# KiCad board boatcontrol.kicad_pcb (continued)
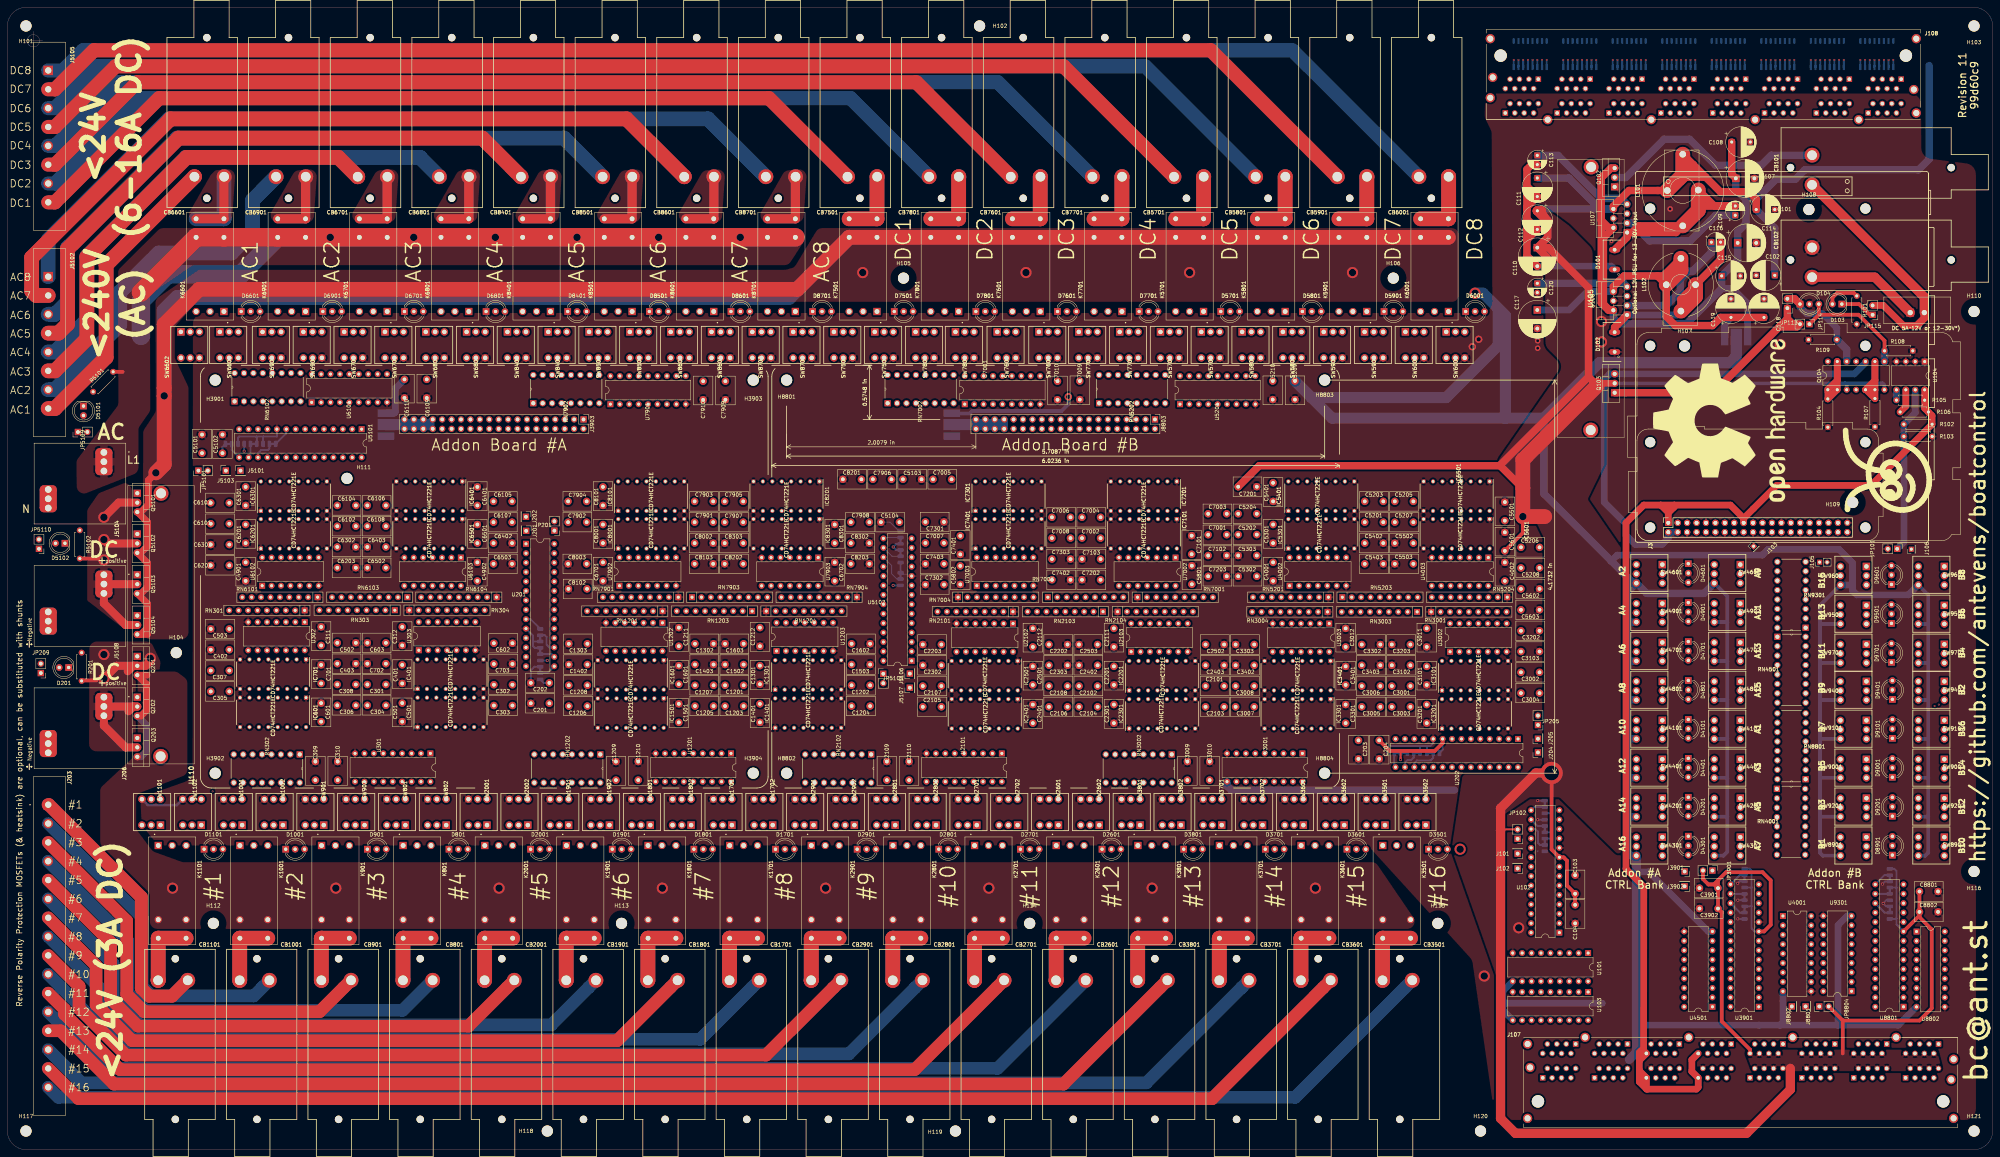
[diagram p0: board, top side]
## Footprints (pads in the part's own frame, mm; a bottom-side part is the same pattern mirrored in y, then rotated) (continued)
SolderJumper-3_LargeGap_Bridged12_RoundedPad1.0x1.5mm
  rrect 1x1.7 smd: 1(-1.7,0) 2(0,0) 3(1.7,0)
SolderJumper-3_P1.3mm_Open_RoundedPad3.0x4.5mm_NumberLabels
  rect 2x4.5 smd: 1(-3.1,0) 3(3.1,0)
  rect 3x4.5 smd: 2(0,0)
STEWART_SS73100-047F
  round 3.33 hole 3.33 unplated: (-40.64,0) (68.58,0)
  rect 1.478x1.478 hole 0.97: A_1(-30.48,15.47) B_1(-16.51,15.47) C_1(-2.54,15.47) D_1(11.43,15.47) E_1(25.39,15.47) F_1(39.36,15.47) G_1(53.34,15.47) H_1(67.31,15.47) I_1(-39.37,6.35) J_1(-25.4,6.35) K_1(-11.43,6.35) L_1(2.54,6.35) M_1(16.5,6.35) N_1(30.47,6.35) O_1(44.45,6.35) P_1(58.42,6.35)
  round 1.478 hole 0.97: A_2(-31.75,12.93) A_3(-33.02,15.47) A_4(-34.29,12.93) A_5(-35.56,15.47) A_6(-36.83,12.93) A_7(-38.1,15.47) A_8(-39.37,12.93) B_2(-17.78,12.93) B_3(-19.05,15.47) B_4(-20.32,12.93) B_5(-21.59,15.47) B_6(-22.86,12.93) B_7(-24.13,15.47) B_8(-25.4,12.93) C_2(-3.81,12.93) C_3(-5.08,15.47) C_4(-6.35,12.93) C_5(-7.62,15.47) C_6(-8.89,12.93) C_7(-10.16,15.47) C_8(-11.43,12.93) D_2(10.16,12.93) D_3(8.89,15.47) D_4(7.62,12.93) D_5(6.35,15.47) D_6(5.08,12.93) D_7(3.81,15.47) D_8(2.54,12.93) E_2(24.12,12.93) E_3(22.85,15.47) E_4(21.58,12.93) E_5(20.31,15.47) E_6(19.04,12.93) E_7(17.77,15.47) E_8(16.5,12.93) F_2(38.09,12.93) F_3(36.82,15.47) F_4(35.55,12.93) F_5(34.28,15.47) F_6(33.01,12.93) F_7(31.74,15.47) F_8(30.47,12.93) G_2(52.07,12.93) G_3(50.8,15.47) G_4(49.53,12.93) G_5(48.26,15.47) G_6(46.99,12.93) G_7(45.72,15.47) G_8(44.45,12.93) H_2(66.04,12.93) H_3(64.77,15.47) H_4(63.5,12.93) H_5(62.23,15.47) H_6(60.96,12.93) H_7(59.69,15.47) H_8(58.42,12.93) I_2(-38.1,8.89) I_3(-36.83,6.35) I_4(-35.56,8.89) I_5(-34.29,6.35) I_6(-33.02,8.89) I_7(-31.75,6.35) I_8(-30.48,8.89) J_2(-24.13,8.89) J_3(-22.86,6.35) J_4(-21.59,8.89) J_5(-20.32,6.35) J_6(-19.05,8.89) J_7(-17.78,6.35) J_8(-16.51,8.89) K_2(-10.16,8.89) K_3(-8.89,6.35) K_4(-7.62,8.89) K_5(-6.35,6.35) K_6(-5.08,8.89) K_7(-3.81,6.35) K_8(-2.54,8.89) L_2(3.81,8.89) L_3(5.08,6.35) L_4(6.35,8.89) L_5(7.62,6.35) L_6(8.89,8.89) L_7(10.16,6.35) L_8(11.43,8.89) M_2(17.77,8.89) M_3(19.04,6.35) M_4(20.31,8.89) M_5(21.58,6.35) M_6(22.85,8.89) M_7(24.12,6.35) M_8(25.39,8.89) N_2(31.74,8.89) N_3(33.01,6.35) N_4(34.28,8.89) N_5(35.55,6.35) N_6(36.82,8.89) N_7(38.09,6.35) N_8(39.36,8.89) O_2(45.72,8.89) O_3(46.99,6.35) O_4(48.26,8.89) O_5(49.53,6.35) O_6(50.8,8.89) O_7(52.07,6.35) O_8(53.34,8.89) P_2(59.69,8.89) P_3(60.96,6.35) P_4(62.23,8.89) P_5(63.5,6.35) P_6(64.77,8.89) P_7(66.04,6.35) P_8(67.31,8.89)
  round 2.475 hole 1.65: S1(-43.435,-4.57) S2(71.375,-4.57) S3(-42.775,9.14) S4(-43.435,15.47) S5(70.715,5.87) S6(71.375,11.38) S7(-27.94,17.27) S8(0,17.27) S9(27.99,17.27) S10(55.88,17.27)
SW_PUSH_ESB30_DPDT
  rect 2x2 hole 1.2: 1(-3.5,-2.25)
  round 2 hole 1.2: 2(-3.5,0.25) 3(-3.5,2.75) 4(3.5,-2.25) 5(3.5,0.25) 6(3.5,2.75)
TO-220
  oval 1.508x3.016 hole 1: 1(2.665,0) 2(-2.665,0)
TO-220-3_Vertical
  rect 1.905x2 hole 1.1: 1(0,0)
  oval 1.905x2 hole 1.1: 2(2.54,0) 3(5.08,0)
TO-220-7_P2.54x3.7mm_StaggerOdd_Lead3.8mm_Vertical
  rect 1.8x1.8 hole 1.1: 1(0,0)
  oval 1.8x1.8 hole 1.1: 2(1.27,3.7) 3(2.54,0) 4(3.81,3.7) 5(5.08,0) 6(6.35,3.7) 7(7.62,0)

## Nets
12V_DC_C1_OFF: C403.2 J108.P_4 RN301.5 U302.5
12V_DC_C1_ON: C402.2 J108.P_8 RN301.3 U302.2
12V_DC_C2_OFF: C503.2 J108.P_6 RN301.8 U302.13
12V_DC_C2_ON: C502.2 J108.P_2 RN301.6 U302.10
12V_DC_C3_OFF: C603.2 J108.G_2 RN304.5 U303.5
12V_DC_C3_ON: C602.2 J108.G_6 RN304.3 U303.2
12V_DC_C4_OFF: C703.2 J108.G_8 RN304.6 U303.13
12V_DC_C4_ON: C702.2 J108.G_4 RN304.8 U303.10
12V_DC_C5_OFF: C1303.2 J108.N_6 RN1201.5 U1202.5
12V_DC_C5_ON: C1302.2 J108.N_4 RN1201.3 U1202.2
12V_DC_C6_OFF: C1403.2 J108.N_2 RN1201.8 U1202.13
12V_DC_C6_ON: C1402.2 J108.N_8 RN1201.6 U1202.10
12V_DC_C7_OFF: C1503.2 J108.E_8 RN1204.5 U1203.5
12V_DC_C7_ON: C1502.2 J108.E_4 RN1204.3 U1203.2
12V_DC_C8_OFF: C1603.2 J108.E_2 RN1204.6 U1203.13
12V_DC_C8_ON: C1602.2 J108.E_6 RN1204.8 U1203.10
12V_DC_C9_OFF: C2203.2 J108.L_8 RN2101.5 U2102.5
12V_DC_C9_ON: C2202.2 J108.L_2 RN2101.3 U2102.2
12V_DC_C10_OFF: C2303.2 J108.L_4 RN2101.8 U2102.13
12V_DC_C10_ON: C2302.2 J108.L_6 RN2101.6 U2102.10
12V_DC_C11_OFF: C2403.2 J108.C_8 RN2104.5 U2103.5
12V_DC_C11_ON: C2402.2 J108.C_4 RN2104.3 U2103.2
12V_DC_C12_OFF: C2503.2 J108.C_2 RN2104.6 U2103.13
12V_DC_C12_ON: C2502.2 J108.C_6 RN2104.8 U2103.10
12V_DC_C13_OFF: C3103.2 J108.A_8 RN3001.5 U3002.5
12V_DC_C13_ON: C3102.2 J108.A_4 RN3001.3 U3002.2
12V_DC_C14_OFF: C3203.2 J108.A_2 RN3001.8 U3002.13
12V_DC_C14_ON: C3202.2 J108.A_6 RN3001.6 U3002.10
12V_DC_C15_OFF: C3303.2 J108.J_8 RN3004.5 U3003.5
12V_DC_C15_ON: C3302.2 J108.J_4 RN3004.3 U3003.2
12V_DC_C16_OFF: C3403.2 J108.J_2 RN3004.6 U3003.13
12V_DC_C16_ON: C3402.2 J108.J_6 RN3004.8 U3003.10
12V_DC_C17_OFF: C5303.2 J108.B_2 RN5201.4 U4002.5
12V_DC_C17_ON: C5302.2 J108.B_4 RN5201.8 U4002.2
12V_DC_C18_OFF: C5403.2 J108.B_8 RN5201.7 U4002.13
12V_DC_C18_ON: C5402.2 J108.B_6 RN5201.3 U4002.10
12V_DC_C19_OFF: C5503.2 J108.I_8 RN5204.7 U4003.5
12V_DC_C19_ON: C5502.2 J108.I_4 RN5204.3 U4003.2
12V_DC_C20_OFF: C5603.2 J108.I_2 RN5204.4 U4003.13
12V_DC_C20_ON: C5602.2 J108.I_6 RN5204.8 U4003.10
12V_DC_C21_OFF: C7103.2 J108.K_8 RN7001.4 U7002.5
12V_DC_C21_ON: C7102.2 J108.K_6 RN7001.8 U7002.2
12V_DC_C22_OFF: C7203.2 J108.K_2 RN7001.7 U7002.13
12V_DC_C22_ON: C7202.2 J108.K_4 RN7001.3 U7002.10
12V_DC_C23_OFF: C7303.2 J108.D_8 RN7004.7 U7003.5
12V_DC_C23_ON: C7302.2 J108.D_4 RN7004.3 U7003.2
12V_DC_C24_OFF: C7403.2 J108.D_2 RN7004.4 U7003.13
12V_DC_C24_ON: C7402.2 J108.D_6 RN7004.8 U7003.10
230V_AC_C1_OFF: C8003.2 J108.F_2 RN7901.4 U7902.5
230V_AC_C1_ON: C8002.2 J108.F_6 RN7901.8 U7902.2
230V_AC_C2_OFF: C8103.2 J108.F_8 RN7901.7 U7902.13
230V_AC_C2_ON: C8102.2 J108.F_4 RN7901.3 U7902.10
230V_AC_C3_OFF: C8203.2 J108.M_2 RN7904.7 U7903.5
230V_AC_C3_ON: C8202.2 J108.M_8 RN7904.3 U7903.2
230V_AC_C4_OFF: C8303.2 J108.M_6 RN7904.4 U7903.13
230V_AC_C4_ON: C8302.2 J108.M_4 RN7904.8 U7903.10
230V_AC_C5_OFF: C6203.2 J108.H_8 RN6101.4 U6102.5
230V_AC_C5_ON: C6202.2 J108.H_4 RN6101.8 U6102.2
230V_AC_C6_OFF: C6303.2 J108.H_2 RN6101.7 U6102.13
230V_AC_C6_ON: C6302.2 J108.H_6 RN6101.3 U6102.10
230V_AC_C7_OFF: C6403.2 J108.O_6 RN6104.7 U6103.5
230V_AC_C7_ON: C6402.2 J108.O_4 RN6104.3 U6103.2
230V_AC_C8_OFF: C6503.2 J108.O_2 RN6104.4 U6103.13
230V_AC_C8_ON: C6502.2 J108.O_8 RN6104.8 U6103.10
+5V: C101.1 C102.1 C103.1 C104.1 C110.1 C111.1 C112.1 C201.1 C202.1 C203.1 C204.1 C311.1 C312.1 C401.1 C501.1 C601.1 C701.1 C1211.1 C1212.1 C1301.1 C1401.1 C1501.1 C1601.1 C2111.1 C2112.1 C2201.1 C2301.1 C2401.1 C2501.1 C3011.1 C3012.1 C3101.1 C3201.1 C3301.1 C3401.1 C3901.1 C3902.1 C4001.1 C4002.1 C4901.1 C4902.1 C5101.1 C5102.1 C5103.1 C5104.1 C5301.1 C5401.1 C5501.1 C5601.1 C5801.1 C5802.1 C6201.1 C6301.1 C6401.1 C6501.1 C6701.1 C6702.1 C7101.1 C7201.1 C7301.1 C7401.1 C8001.1 C8101.1 C8201.1 C8301.1 C8801.1 C8802.1 IC401.16 IC501.16 IC601.16 IC701.16 IC1301.16 IC1401.16 IC1501.16 IC1601.16 IC2201.16 IC2301.16 IC2401.16 IC2501.16 IC3101.16 IC3201.16 IC3301.16 IC3401.16 IC5301.16 IC5401.16 IC5501.16 IC5601.16 IC6201.16 IC6301.16 IC6401.16 IC6501.16 IC7101.16 IC7201.16 IC7301.16 IC7401.16 IC8001.16 IC8101.16 IC8201.16 IC8301.16 J107.E_2 J107.E_4 J107.E_6 J107.E_8 J107.F_2 J107.F_4 J107.F_6 J107.F_8 J107.G_2 J107.G_4 J107.G_6 J107.G_8 J107.H_2 J107.H_4 J107.H_6 J107.H_8 J107.M_2 J107.M_4 J107.M_6 J107.M_8 J107.N_2 J107.N_4 J107.N_6 J107.N_8 J107.O_2 J107.O_4 J107.O_6 J107.O_8 J107.P_2 J107.P_4 J107.P_6 J107.P_8 JP102.2 JP103.1 JP104.1 JP105.3 JP106.3 JP107.1 JP108.3 JP109.1 JP111.3 JP112.3 JP201.2 JP202.3 JP203.3 JP204.3 JP205.2 JP206.3 JP207.3 JP208.1 JP3901.2 JP5101.2 JP5102.1 JP5103.3 JP5104.1 JP5105.2 JP5106.3 JP5107.1 JP5108.1 JP8804.2 L101.2 Q103.2 Q104.3 Q104.7 RN101.9 RN101.10 RN101.11 RN101.12 RN101.13 RN101.14 RN101.15 RN101.16 RN102.9 RN102.10 RN102.11 RN102.12 RN102.13 RN102.14 RN102.15 RN102.16 RN103.9 RN103.10 RN103.11 RN103.12 RN103.13 RN103.14 RN103.15 RN103.16 RN104.9 RN104.10 RN104.11 RN104.12 RN104.13 RN104.14 RN104.15 RN104.16 RN105.9 RN105.10 RN105.11 RN105.12 RN105.13 RN105.14 RN105.15 RN105.16 RN106.9 RN106.10 RN106.11 RN106.12 RN106.13 RN106.14 RN106.15 RN106.16 RN107.9 RN107.10 RN107.11 RN107.12 RN107.13 RN107.14 RN107.15 RN107.16 RN108.9 RN108.10 RN108.11 RN108.12 RN108.13 RN108.14 RN108.15 RN108.16 RN303.1 RN1203.1 RN2103.1 RN3003.1 RN5203.1 RN6103.1 RN7003.1 RN7903.1 U102.9 U107.6 U201.9 U202.9 U302.14 U303.14 U1202.14 U1203.14 U2102.14 U2103.14 U3002.14 U3003.14 U3901.9 U4002.14 U4003.14 U5101.9 U5102.9 U6102.14 U6103.14 U7002.14 U7003.14 U7902.14 U7903.14 U8801.9
+12V: C107.1 C108.1 C114.1 C115.1 JP110.3 Q102.3 U107.2 U108.2
/12V_RAW: CB101.P1 J111.2 JP115.2
/GND_RAW: CB102.P1 J111.1
GND: C101.2 C102.2 C103.2 C104.2 C107.2 C108.2 C114.2 C115.2 C117.2 C118.2 C119.2 C120.2 C201.2 C202.2 C203.2 C204.2 C309.2 C310.2 C311.2 C312.2 C401.2 C402.1 C403.1 C501.2 C502.1 C503.1 C601.2 C602.1 C603.1 C701.2 C702.1 C703.1 C1209.2 C1210.2 C1211.2 C1212.2 C1301.2 C1302.1 C1303.1 C1401.2 C1402.1 C1403.1 C1501.2 C1502.1 C1503.1 C1601.2 C1602.1 C1603.1 C2109.2 C2110.2 C2111.2 C2112.2 C2201.2 C2202.1 C2203.1 C2301.2 C2302.1 C2303.1 C2401.2 C2402.1 C2403.1 C2501.2 C2502.1 C2503.1 C3009.2 C3010.2 C3011.2 C3012.2 C3101.2 C3102.1 C3103.1 C3201.2 C3202.1 C3203.1 C3301.2 C3302.1 C3303.1 C3401.2 C3402.1 C3403.1 C3901.2 C3902.2 C4001.2 C4002.2 C4901.2 C4902.2 C5101.2 C5102.2 C5103.2 C5104.2 C5209.2 C5210.2 C5301.2 C5302.1 C5303.1 C5401.2 C5402.1 C5403.1 C5501.2 C5502.1 C5503.1 C5601.2 C5602.1 C5603.1 C5801.2 C5802.2 C6109.2 C6110.2 C6201.2 C6202.1 C6203.1 C6301.2 C6302.1 C6303.1 C6401.2 C6402.1 C6403.1 C6501.2 C6502.1 C6503.1 C6701.2 C6702.2 C7009.2 C7010.2 C7101.2 C7102.1 C7103.1 C7201.2 C7202.1 C7203.1 C7301.2 C7302.1 C7303.1 C7401.2 C7402.1 C7403.1 C7909.2 C7910.2 C8001.2 C8002.1 C8003.1 C8101.2 C8102.1 C8103.1 C8201.2 C8202.1 C8203.1 C8301.2 C8302.1 C8303.1 C8801.2 C8802.2 CB102.P2 D102.2 D104.2 D4101.2 D4201.2 D4301.2 D4401.2 D4601.2 D4701.2 D4801.2 D4901.2 D8901.2 D9001.2 D9101.2 D9201.2 D9401.2 D9501.2 D9601.2 D9701.2 IC401.1 IC401.8 IC401.9 IC501.1 IC501.8 IC501.9 IC601.1 IC601.8 IC601.9 IC701.1 IC701.8 IC701.9 IC1301.1 IC1301.8 IC1301.9 IC1401.1 IC1401.8 IC1401.9 IC1501.1 IC1501.8 IC1501.9 IC1601.1 IC1601.8 IC1601.9 IC2201.1 IC2201.8 IC2201.9 IC2301.1 IC2301.8 IC2301.9 IC2401.1 IC2401.8 IC2401.9 IC2501.1 IC2501.8 IC2501.9 IC3101.1 IC3101.8 IC3101.9 IC3201.1 IC3201.8 IC3201.9 IC3301.1 IC3301.8 IC3301.9 IC3401.1 IC3401.8 IC3401.9 IC5301.1 IC5301.8 IC5301.9 IC5401.1 IC5401.8 IC5401.9 IC5501.1 IC5501.8 IC5501.9 IC5601.1 IC5601.8 IC5601.9 IC6201.1 IC6201.8 IC6201.9 IC6301.1 IC6301.8 IC6301.9 IC6401.1 IC6401.8 IC6401.9 IC6501.1 IC6501.8 IC6501.9 IC7101.1 IC7101.8 IC7101.9 IC7201.1 IC7201.8 IC7201.9 IC7301.1 IC7301.8 IC7301.9 IC7401.1 IC7401.8 IC7401.9 IC8001.1 IC8001.8 IC8001.9 IC8101.1 IC8101.8 IC8101.9 IC8201.1 IC8201.8 IC8201.9 IC8301.1 IC8301.8 IC8301.9 J3.6 J3.9 J3.14 J3.20 J3.25 J3.30 J3.34 J3.39 J107.C_7 J107.D_7 J107.K_2 J107.L_2 JP101.2 JP103.3 JP104.3 JP105.1 JP106.1 JP107.3 JP108.1 JP109.3 JP111.1 JP112.1 JP202.1 JP203.1 JP204.1 JP206.1 JP207.1 JP208.3 JP210.1 JP5102.3 JP5103.1 JP5104.3 JP5106.1 JP5107.3 JP5108.3 JP8701.1 Q102.1 R101.2 R103.2 R104.1 R107.1 R108.1 R109.1 RN301.1 RN304.1 RN1201.1 RN1204.1 RN2101.1 RN2104.1 RN3001.1 RN3004.1 RN5201.1 RN5204.1 RN6101.1 RN6104.1 RN7001.1 RN7004.1 RN7901.1 RN7904.1 SW801.6 SW802.6 SW901.6 SW902.6 SW1001.6 SW1002.6 SW1101.6 SW1102.6 SW1701.6 SW1702.6 SW1801.6 SW1802.6 SW1901.6 SW1902.6 SW2001.6 SW2002.6 SW2601.6 SW2602.6 SW2701.6 SW2702.6 SW2801.6 SW2802.6 SW2901.6 SW2902.6 SW3501.6 SW3502.6 SW3601.6 SW3602.6 SW3701.6 SW3702.6 SW3801.6 SW3802.6 SW5701.6 SW5702.6 SW5801.6 SW5802.6 SW5901.6 SW5902.6 SW6001.6 SW6002.6 SW6601.6 SW6602.6 SW6701.6 SW6702.6 SW6801.6 SW6802.6 SW6901.6 SW6902.6 SW7501.6 SW7502.6 SW7601.6 SW7602.6 SW7701.6 SW7702.6 SW7801.6 SW7802.6 SW8401.6 SW8402.6 SW8501.6 SW8502.6 SW8601.6 SW8602.6 SW8701.6 SW8702.6 U101.9 U102.10 U103.9 U104.1 U104.2 U104.3 U104.4 U107.4 U108.4 U201.10 U202.10 U301.9 U302.7 U303.7 U1201.9 U1202.7 U1203.7 U2101.9 U2102.7 U2103.7 U3001.9 U3002.7 U3003.7 U3901.10 U4001.10 U4002.7 U4003.7 U4501.10 U5101.10 U5102.10 U5201.9 U6101.9 U6102.7 U6103.7 U7001.9 U7002.7 U7003.7 U7901.9 U7902.7 U7903.7 U8801.10 U8802.10 U9301.10
+12C: K801.3 K801.6 K901.3 K901.6 K1001.3 K1001.6 K1101.3 K1101.6 K1701.3 K1701.6 K1801.3 K1801.6 K1901.3 K1901.6 K2001.3 K2001.6 K2601.3 K2601.6 K2701.3 K2701.6 K2801.3 K2801.6 K2901.3 K2901.6 K3501.3 K3501.6 K3601.3 K3601.6 K3701.3 K3701.6 K3801.3 K3801.6 Q201.3 Q202.3 Q203.3
+12L: K5701.3 K5701.6 K5801.3 K5801.6 K5901.3 K5901.6 K6001.3 K6001.6 K7501.3 K7501.6 K7601.3 K7601.6 K7701.3 K7701.6 K7801.3 K7801.6 Q5101.3 Q5102.3 Q5103.3 Q5104.3
+12P: C309.1 C310.1 C1209.1 C1210.1 C2109.1 C2110.1 C3009.1 C3010.1 C5209.1 C5210.1 C6109.1 C6110.1 C7009.1 C7010.1 C7909.1 C7910.1 D801.2 D901.2 D1001.2 D1101.2 D1701.2 D1801.2 D1901.2 D2001.2 D2601.2 D2701.2 D2801.2 D2901.2 D3501.2 D3601.2 D3701.2 D3801.2 D5701.2 D5801.2 D5901.2 D6001.2 D6601.2 D6701.2 D6801.2 D6901.2 D7501.2 D7601.2 D7701.2 D7801.2 D8401.2 D8501.2 D8601.2 D8701.2 J107.A_2 J107.A_4 J107.A_6 J107.A_8 J107.B_2 J107.B_4 J107.B_6 J107.B_8 J107.I_2 J107.I_4 J107.I_6 J107.I_8 J107.J_2 J107.J_4 J107.J_6 J107.J_8 JP110.2 JP210.3 JP8701.3 K801.9 K901.9 K1001.9 K1101.9 K1701.9 K1801.9 K1901.9 K2001.9 K2601.9 K2701.9 K2801.9 K2901.9 K3501.9 K3601.9 K3701.9 K3801.9 K5701.9 K5801.9 K5901.9 K6001.9 K6601.9 K6701.9 K6801.9 K6901.9 K7501.9 K7601.9 K7701.9 K7801.9 K8401.9 K8501.9 K8601.9 K8701.9 SW4101.6 SW4102.6 SW4201.6 SW4202.6 SW4301.6 SW4302.6 SW4401.6 SW4402.6 SW4601.6 SW4602.6 SW4701.6 SW4702.6 SW4801.6 SW4802.6 SW4901.6 SW4902.6 SW8901.6 SW8902.6 SW9001.6 SW9002.6 SW9101.6 SW9102.6 SW9201.6 SW9202.6 SW9401.6 SW9402.6 SW9501.6 SW9502.6 SW9601.6 SW9602.6 SW9701.6 SW9702.6 U101.10 U103.10 U301.10 U1201.10 U2101.10 U3001.10 U4001.9 U4501.9 U5201.10 U6101.10 U7001.10 U7901.10 U8802.9 U9301.9
/12V DC Common Bank/12C_RAW: J206.1_1 J206.1_2 J206.1_3 Q201.2 Q202.2 Q203.2 R201.2
/12V DC Common Bank/12V DC Block 1/3AC1/DISABLED_INDICATOR: SW1101.3 SW1102.3
/12V DC Common Bank/12V DC Block 1/3AC1/OFF: SW1101.4 U301.11
/12V DC Common Bank/12V DC Block 1/3AC1/OFF_COIL: K1101.8 RN302.7 SW1102.2
/12V DC Common Bank/12V DC Block 1/3AC1/OFF_LED: D1101.3 RN302.10
/12V DC Common Bank/12V DC Block 1/3AC1/OFF_TO_ON: SW1101.5 SW1102.1
/12V DC Common Bank/12V DC Block 1/3AC1/ON: SW1102.4 U301.12
/12V DC Common Bank/12V DC Block 1/3AC1/ON_COIL: K1101.1 RN302.8 SW1101.2
/12V DC Common Bank/12V DC Block 1/3AC1/ON_LED: D1101.1 RN302.9
/12V DC Common Bank/12V DC Block 1/3AC1/ON_TO_OFF: SW1101.1 SW1102.5
/12V DC Common Bank/12V DC Block 1/3AC1/TO_FUSE: CB1101.P1 K1101.4 K1101.5
/12V DC Common Bank/12V DC Block 1/3AC2/DISABLED_INDICATOR: SW1001.3 SW1002.3
/12V DC Common Bank/12V DC Block 1/3AC2/OFF: SW1001.4 U301.13
/12V DC Common Bank/12V DC Block 1/3AC2/OFF_COIL: K1001.8 RN302.5 SW1002.2
/12V DC Common Bank/12V DC Block 1/3AC2/OFF_LED: D1001.3 RN302.12
/12V DC Common Bank/12V DC Block 1/3AC2/OFF_TO_ON: SW1001.5 SW1002.1
/12V DC Common Bank/12V DC Block 1/3AC2/ON: SW1002.4 U301.14
/12V DC Common Bank/12V DC Block 1/3AC2/ON_COIL: K1001.1 RN302.6 SW1001.2
/12V DC Common Bank/12V DC Block 1/3AC2/ON_LED: D1001.1 RN302.11
/12V DC Common Bank/12V DC Block 1/3AC2/ON_TO_OFF: SW1001.1 SW1002.5
/12V DC Common Bank/12V DC Block 1/3AC2/TO_FUSE: CB1001.P1 K1001.4 K1001.5
/12V DC Common Bank/12V DC Block 1/3AC3/DISABLED_INDICATOR: SW901.3 SW902.3
/12V DC Common Bank/12V DC Block 1/3AC3/OFF: SW901.4 U301.15
/12V DC Common Bank/12V DC Block 1/3AC3/OFF_COIL: K901.8 RN302.3 SW902.2
/12V DC Common Bank/12V DC Block 1/3AC3/OFF_LED: D901.3 RN302.14
/12V DC Common Bank/12V DC Block 1/3AC3/OFF_TO_ON: SW901.5 SW902.1
/12V DC Common Bank/12V DC Block 1/3AC3/ON: SW902.4 U301.16
/12V DC Common Bank/12V DC Block 1/3AC3/ON_COIL: K901.1 RN302.4 SW901.2
/12V DC Common Bank/12V DC Block 1/3AC3/ON_LED: D901.1 RN302.13
/12V DC Common Bank/12V DC Block 1/3AC3/ON_TO_OFF: SW901.1 SW902.5
/12V DC Common Bank/12V DC Block 1/3AC3/TO_FUSE: CB901.P1 K901.4 K901.5
/12V DC Common Bank/12V DC Block 1/3AC4/DISABLED_INDICATOR: SW801.3 SW802.3
/12V DC Common Bank/12V DC Block 1/3AC4/OFF: SW801.4 U301.17
/12V DC Common Bank/12V DC Block 1/3AC4/OFF_COIL: K801.8 RN302.1 SW802.2
/12V DC Common Bank/12V DC Block 1/3AC4/OFF_LED: D801.3 RN302.16
/12V DC Common Bank/12V DC Block 1/3AC4/OFF_TO_ON: SW801.5 SW802.1
/12V DC Common Bank/12V DC Block 1/3AC4/ON: SW802.4 U301.18
/12V DC Common Bank/12V DC Block 1/3AC4/ON_COIL: K801.1 RN302.2 SW801.2
/12V DC Common Bank/12V DC Block 1/3AC4/ON_LED: D801.1 RN302.15
/12V DC Common Bank/12V DC Block 1/3AC4/ON_TO_OFF: SW801.1 SW802.5
/12V DC Common Bank/12V DC Block 1/3AC4/TO_FUSE: CB801.P1 K801.4 K801.5
/12V DC Common Bank/12V DC Block 1/DIG_OFF_C1: RN301.4 U201.2 U302.4
/12V DC Common Bank/12V DC Block 1/DIG_OFF_C2: RN301.9 U201.4 U302.12
/12V DC Common Bank/12V DC Block 1/DIG_OFF_C3: RN304.4 U201.6 U303.4
/12V DC Common Bank/12V DC Block 1/DIG_OFF_C4: RN304.7 U201.8 U303.12
/12V DC Common Bank/12V DC Block 1/DIG_ON_C1: RN301.2 U201.1 U302.1
/12V DC Common Bank/12V DC Block 1/DIG_ON_C2: RN301.7 U201.3 U302.9
/12V DC Common Bank/12V DC Block 1/DIG_ON_C3: RN304.2 U201.5 U303.1
/12V DC Common Bank/12V DC Block 1/DIG_ON_C4: RN304.9 U201.7 U303.9
/12V DC Common Bank/12V DC Block 1/MultiVibrator3A1/MUX_OFF: IC401.5 U301.2
/12V DC Common Bank/12V DC Block 1/MultiVibrator3A1/MUX_ON: IC401.13 U301.1
/12V DC Common Bank/12V DC Block 1/MultiVibrator3A1/R1: C301.1 IC401.14 RN303.4
/12V DC Common Bank/12V DC Block 1/MultiVibrator3A1/R2: C302.1 IC401.6 RN303.3
/12V DC Common Bank/12V DC Block 1/MultiVibrator3A1/RC1: C301.2 IC401.15
/12V DC Common Bank/12V DC Block 1/MultiVibrator3A1/RC2: C302.2 IC401.7
/12V DC Common Bank/12V DC Block 1/MultiVibrator3A2/MUX_OFF: IC501.5 U301.4
/12V DC Common Bank/12V DC Block 1/MultiVibrator3A2/MUX_ON: IC501.13 U301.3
/12V DC Common Bank/12V DC Block 1/MultiVibrator3A2/R1: C303.1 IC501.14 RN303.2
/12V DC Common Bank/12V DC Block 1/MultiVibrator3A2/R2: C304.1 IC501.6 RN303.5
/12V DC Common Bank/12V DC Block 1/MultiVibrator3A2/RC1: C303.2 IC501.15
/12V DC Common Bank/12V DC Block 1/MultiVibrator3A2/RC2: C304.2 IC501.7
/12V DC Common Bank/12V DC Block 1/MultiVibrator3A3/MUX_OFF: IC601.5 U301.6
/12V DC Common Bank/12V DC Block 1/MultiVibrator3A3/MUX_ON: IC601.13 U301.5
/12V DC Common Bank/12V DC Block 1/MultiVibrator3A3/R1: C305.1 IC601.14 RN303.7
/12V DC Common Bank/12V DC Block 1/MultiVibrator3A3/R2: C306.1 IC601.6 RN303.6
/12V DC Common Bank/12V DC Block 1/MultiVibrator3A3/RC1: C305.2 IC601.15
/12V DC Common Bank/12V DC Block 1/MultiVibrator3A3/RC2: C306.2 IC601.7
/12V DC Common Bank/12V DC Block 1/MultiVibrator3A4/MUX_OFF: IC701.5 U301.8
/12V DC Common Bank/12V DC Block 1/MultiVibrator3A4/MUX_ON: IC701.13 U301.7
/12V DC Common Bank/12V DC Block 1/MultiVibrator3A4/R1: C307.1 IC701.14 RN303.8
/12V DC Common Bank/12V DC Block 1/MultiVibrator3A4/R2: C308.1 IC701.6 RN303.9
/12V DC Common Bank/12V DC Block 1/MultiVibrator3A4/RC1: C307.2 IC701.15
/12V DC Common Bank/12V DC Block 1/MultiVibrator3A4/RC2: C308.2 IC701.7
/12V DC Common Bank/12V DC Block 1/OUT_C1: CB1101.P2 J203.1
/12V DC Common Bank/12V DC Block 1/OUT_C2: CB1001.P2 J203.2
/12V DC Common Bank/12V DC Block 1/OUT_C3: CB901.P2 J203.3
/12V DC Common Bank/12V DC Block 1/OUT_C4: CB801.P2 J203.4
/12V DC Common Bank/12V DC Block 2/3AC1/DISABLED_INDICATOR: SW2001.3 SW2002.3
/12V DC Common Bank/12V DC Block 2/3AC1/OFF: SW2001.4 U1201.11
/12V DC Common Bank/12V DC Block 2/3AC1/OFF_COIL: K2001.8 RN1202.7 SW2002.2
/12V DC Common Bank/12V DC Block 2/3AC1/OFF_LED: D2001.3 RN1202.10
/12V DC Common Bank/12V DC Block 2/3AC1/OFF_TO_ON: SW2001.5 SW2002.1
/12V DC Common Bank/12V DC Block 2/3AC1/ON: SW2002.4 U1201.12
/12V DC Common Bank/12V DC Block 2/3AC1/ON_COIL: K2001.1 RN1202.8 SW2001.2
/12V DC Common Bank/12V DC Block 2/3AC1/ON_LED: D2001.1 RN1202.9
/12V DC Common Bank/12V DC Block 2/3AC1/ON_TO_OFF: SW2001.1 SW2002.5
/12V DC Common Bank/12V DC Block 2/3AC1/TO_FUSE: CB2001.P1 K2001.4 K2001.5
/12V DC Common Bank/12V DC Block 2/3AC2/DISABLED_INDICATOR: SW1901.3 SW1902.3
/12V DC Common Bank/12V DC Block 2/3AC2/OFF: SW1901.4 U1201.13
/12V DC Common Bank/12V DC Block 2/3AC2/OFF_COIL: K1901.8 RN1202.5 SW1902.2
/12V DC Common Bank/12V DC Block 2/3AC2/OFF_LED: D1901.3 RN1202.12
/12V DC Common Bank/12V DC Block 2/3AC2/OFF_TO_ON: SW1901.5 SW1902.1
/12V DC Common Bank/12V DC Block 2/3AC2/ON: SW1902.4 U1201.14
/12V DC Common Bank/12V DC Block 2/3AC2/ON_COIL: K1901.1 RN1202.6 SW1901.2
/12V DC Common Bank/12V DC Block 2/3AC2/ON_LED: D1901.1 RN1202.11
/12V DC Common Bank/12V DC Block 2/3AC2/ON_TO_OFF: SW1901.1 SW1902.5
/12V DC Common Bank/12V DC Block 2/3AC2/TO_FUSE: CB1901.P1 K1901.4 K1901.5
/12V DC Common Bank/12V DC Block 2/3AC3/DISABLED_INDICATOR: SW1801.3 SW1802.3
/12V DC Common Bank/12V DC Block 2/3AC3/OFF: SW1801.4 U1201.15
/12V DC Common Bank/12V DC Block 2/3AC3/OFF_COIL: K1801.8 RN1202.3 SW1802.2
/12V DC Common Bank/12V DC Block 2/3AC3/OFF_LED: D1801.3 RN1202.14
/12V DC Common Bank/12V DC Block 2/3AC3/OFF_TO_ON: SW1801.5 SW1802.1
/12V DC Common Bank/12V DC Block 2/3AC3/ON: SW1802.4 U1201.16
/12V DC Common Bank/12V DC Block 2/3AC3/ON_COIL: K1801.1 RN1202.4 SW1801.2
/12V DC Common Bank/12V DC Block 2/3AC3/ON_LED: D1801.1 RN1202.13
/12V DC Common Bank/12V DC Block 2/3AC3/ON_TO_OFF: SW1801.1 SW1802.5
/12V DC Common Bank/12V DC Block 2/3AC3/TO_FUSE: CB1801.P1 K1801.4 K1801.5
/12V DC Common Bank/12V DC Block 2/3AC4/DISABLED_INDICATOR: SW1701.3 SW1702.3
/12V DC Common Bank/12V DC Block 2/3AC4/OFF: SW1701.4 U1201.17
/12V DC Common Bank/12V DC Block 2/3AC4/OFF_COIL: K1701.8 RN1202.1 SW1702.2
/12V DC Common Bank/12V DC Block 2/3AC4/OFF_LED: D1701.3 RN1202.16
/12V DC Common Bank/12V DC Block 2/3AC4/OFF_TO_ON: SW1701.5 SW1702.1
/12V DC Common Bank/12V DC Block 2/3AC4/ON: SW1702.4 U1201.18
/12V DC Common Bank/12V DC Block 2/3AC4/ON_COIL: K1701.1 RN1202.2 SW1701.2
/12V DC Common Bank/12V DC Block 2/3AC4/ON_LED: D1701.1 RN1202.15
/12V DC Common Bank/12V DC Block 2/3AC4/ON_TO_OFF: SW1701.1 SW1702.5
/12V DC Common Bank/12V DC Block 2/3AC4/TO_FUSE: CB1701.P1 K1701.4 K1701.5
/12V DC Common Bank/12V DC Block 2/DIG_OFF_C1: RN1201.4 U201.22 U1202.4
/12V DC Common Bank/12V DC Block 2/DIG_OFF_C2: RN1201.9 U201.24 U1202.12
/12V DC Common Bank/12V DC Block 2/DIG_OFF_C3: RN1204.4 U201.26 U1203.4
/12V DC Common Bank/12V DC Block 2/DIG_OFF_C4: RN1204.7 U201.28 U1203.12
/12V DC Common Bank/12V DC Block 2/DIG_ON_C1: RN1201.2 U201.21 U1202.1
/12V DC Common Bank/12V DC Block 2/DIG_ON_C2: RN1201.7 U201.23 U1202.9
/12V DC Common Bank/12V DC Block 2/DIG_ON_C3: RN1204.2 U201.25 U1203.1
/12V DC Common Bank/12V DC Block 2/DIG_ON_C4: RN1204.9 U201.27 U1203.9
/12V DC Common Bank/12V DC Block 2/MultiVibrator3A1/MUX_OFF: IC1301.5 U1201.2
/12V DC Common Bank/12V DC Block 2/MultiVibrator3A1/MUX_ON: IC1301.13 U1201.1
/12V DC Common Bank/12V DC Block 2/MultiVibrator3A1/R1: C1201.1 IC1301.14 RN1203.4
/12V DC Common Bank/12V DC Block 2/MultiVibrator3A1/R2: C1202.1 IC1301.6 RN1203.3
/12V DC Common Bank/12V DC Block 2/MultiVibrator3A1/RC1: C1201.2 IC1301.15
/12V DC Common Bank/12V DC Block 2/MultiVibrator3A1/RC2: C1202.2 IC1301.7
/12V DC Common Bank/12V DC Block 2/MultiVibrator3A2/MUX_OFF: IC1401.5 U1201.4
/12V DC Common Bank/12V DC Block 2/MultiVibrator3A2/MUX_ON: IC1401.13 U1201.3
/12V DC Common Bank/12V DC Block 2/MultiVibrator3A2/R1: C1203.1 IC1401.14 RN1203.2
/12V DC Common Bank/12V DC Block 2/MultiVibrator3A2/R2: C1204.1 IC1401.6 RN1203.5
/12V DC Common Bank/12V DC Block 2/MultiVibrator3A2/RC1: C1203.2 IC1401.15
/12V DC Common Bank/12V DC Block 2/MultiVibrator3A2/RC2: C1204.2 IC1401.7
/12V DC Common Bank/12V DC Block 2/MultiVibrator3A3/MUX_OFF: IC1501.5 U1201.6
/12V DC Common Bank/12V DC Block 2/MultiVibrator3A3/MUX_ON: IC1501.13 U1201.5
/12V DC Common Bank/12V DC Block 2/MultiVibrator3A3/R1: C1205.1 IC1501.14 RN1203.7
/12V DC Common Bank/12V DC Block 2/MultiVibrator3A3/R2: C1206.1 IC1501.6 RN1203.6
/12V DC Common Bank/12V DC Block 2/MultiVibrator3A3/RC1: C1205.2 IC1501.15
/12V DC Common Bank/12V DC Block 2/MultiVibrator3A3/RC2: C1206.2 IC1501.7
/12V DC Common Bank/12V DC Block 2/MultiVibrator3A4/MUX_OFF: IC1601.5 U1201.8
/12V DC Common Bank/12V DC Block 2/MultiVibrator3A4/MUX_ON: IC1601.13 U1201.7
/12V DC Common Bank/12V DC Block 2/MultiVibrator3A4/R1: C1207.1 IC1601.14 RN1203.8
/12V DC Common Bank/12V DC Block 2/MultiVibrator3A4/R2: C1208.1 IC1601.6 RN1203.9
/12V DC Common Bank/12V DC Block 2/MultiVibrator3A4/RC1: C1207.2 IC1601.15
/12V DC Common Bank/12V DC Block 2/MultiVibrator3A4/RC2: C1208.2 IC1601.7
/12V DC Common Bank/12V DC Block 2/OUT_C1: CB2001.P2 J203.5
/12V DC Common Bank/12V DC Block 2/OUT_C2: CB1901.P2 J203.6
/12V DC Common Bank/12V DC Block 2/OUT_C3: CB1801.P2 J203.7
/12V DC Common Bank/12V DC Block 2/OUT_C4: CB1701.P2 J203.8